# KiCad board launch.kicad_pcb (continued)
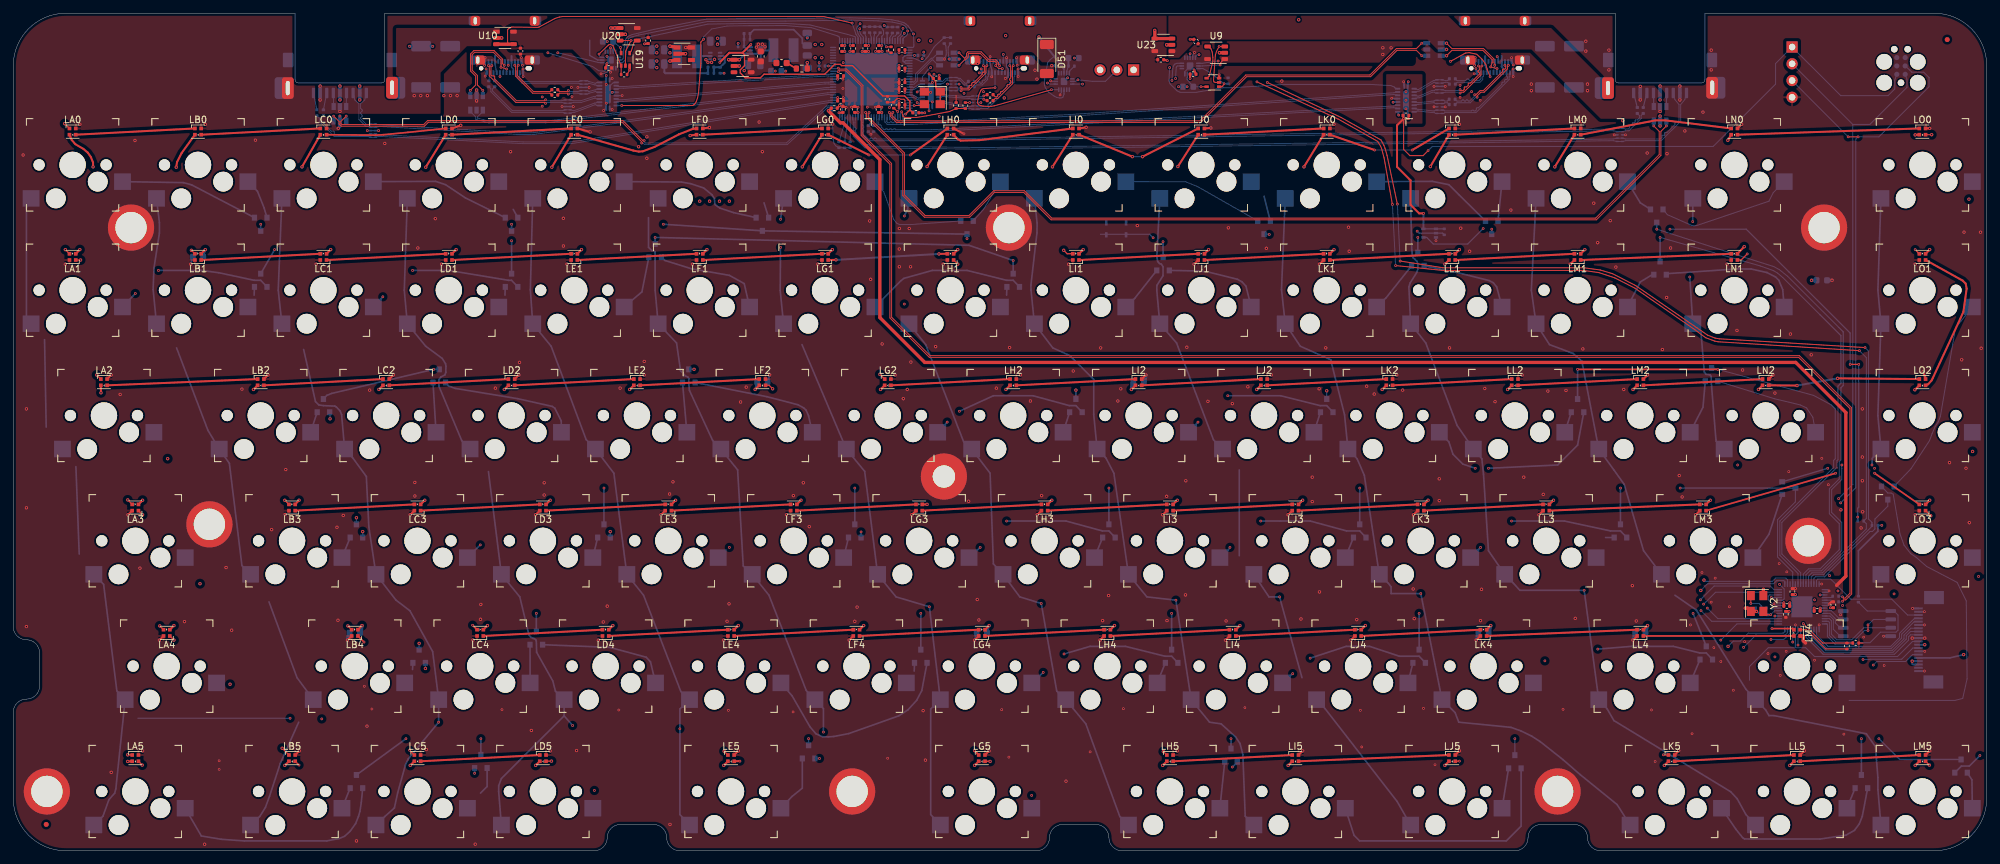
[diagram p0: board, top side]
## Routing (per net, layer and track width the routed paths; a pad name or vN(x,y) marks a point on that pad's centre or on a via; arc(x,y) is an arc through that point) (continued)
  Top w0.15: U19.4 93.65,121.3 94.05,122.6 U20.4
/USB/CL_RX1+: length 21
  Top w0.137: v2(80.65,113.34) 80.52,113.47 76.15,113.47 72.12,117.5 72.12,118.92 v2(71.99,119.05)
  Bottom w0.137: J5.B11 72,119.48 72.12,119.36 72.12,119.18 v2(71.99,119.05) ; U15.14 88.4,114 88.22,114.12 88.1,114.12 86.05,113.47 84.85,113.47 D7.2 D7.9 83.15,113.47 80.78,113.47 v2(80.65,113.34)
/USB/CL_RX1-: length 20.8
  Top w0.137: v2(80.65,113.86) 80.52,113.73 76.25,113.73 72.95,117.04 72.95,117.39 72.84,117.5 72.49,117.5 72.38,117.6 72.38,118.92 v2(72.51,119.05)
  Bottom w0.137: U15.15 88.4,114.5 88.22,114.38 88,114.38 86,113.73 84.85,113.73 D7.1 D7.10 83.15,113.73 80.78,113.73 v2(80.65,113.86) ; v2(72.51,119.05) 72.38,119.18 72.38,119.36 72.5,119.48 J5.B10
/USB/CL_RX2+: length 13.4
  Bottom w0.137: U15.19 88.4,116.5 88.27,116.38 88.15,116.38 87.29,116.63 87.18,116.63 87.05,116.75 D8.6 D8.5 85.7,116.63 77.2,116.63 76.63,117.2 76.63,117.33 76.75,117.45 J5.A11
/USB/CL_RX2-: length 13.9
  Bottom w0.137: J5.A10 76.25,117.45 76.37,117.33 76.37,117.1 77.1,116.37 85.7,116.37 D8.4 D8.7 87.05,116.25 87.18,116.37 87.25,116.37 88.11,116.12 88.28,116.12 88.4,116 U15.18
/USB/CL_RX+: length 32.9
  Bottom w0.137: U2.39 123.5,117.47 123.3,117.47 92.46,115.62 91.8,115.62 U15.4
/USB/CL_RX-: length 32.9
  Bottom w0.137: 92.46,115.88 123.25,117.73 123.5,117.73 U2.40 ; U15.3 91.8,115.88 92.46,115.88
/USB/CL_SEL: length 44.4
  Top w0.15: v2(92.2,113) 102.9,113 103.12,113.11 103.28,113.27 103.48,113.57 103.68,114.17 103.83,114.93 104.18,119.4 104.18,122.63 v2(104.6,123.05)
  Bottom w0.131: v2(104.6,123.05) 104.6,123.4 105.8,124.6 108.15,125.05 110.71,125.09
  Bottom w0.15: U2.51 125.2,123.3 125.14,123.39 124.96,123.51 124.83,123.58 120.95,124.8 116.98,125.13 111.5,125.1 110.71,125.09 ; U15.9 v2(92.2,113)
/USB/CL_SRC: length 8.2
  Top w0.15: v2(88.75,120.8) 90.17,122.18 90.35,122.25 90.45,122.25 90.85,122.1 U19.1 R16.1
  Bottom w0.15: v2(88.75,120.8) 88.9,120.3 U13.16
/USB/CL_TX1+: length 19
  Bottom w0.137: U15.12 88.4,113 88.28,113.12 88.15,113.12 85.05,111.97 84.85,111.97 D7.5 D7.6 83.3,111.97 75.5,111.97 72.37,115.1 72.37,115.53 C30.1
/USB/CL_TX1-: length 18.5
  Bottom w0.137: C28.1 72.63,115.53 72.63,115.2 75.6,112.23 83.3,112.23 D7.7 D7.4 84.85,112.23 85,112.23 88.1,113.38 88.27,113.38 88.4,113.5 U15.13
/USB/CL_TX1D+: length 1.2
  Bottom w0.137: J5.A2 C30.2
/USB/CL_TX1D-: length 1.2
  Bottom w0.137: J5.A3 C28.2
/USB/CL_TX2+: length 6.7
  Top w0.137: v2(84.1,114.74) 83.97,114.87 82.77,114.87 C31.1
  Bottom w0.137: v2(84.1,114.74) 84.23,114.87 85.55,114.87 D8.1 D8.10 87.05,114.75 87.18,114.87 87.29,114.87 88.2,115.12 88.28,115.12 88.4,115 U15.16
/USB/CL_TX2-: length 6.7
  Top w0.137: C29.1 82.77,115.13 83.97,115.13 v2(84.1,115.26)
  Bottom w0.137: v2(84.1,115.26) 84.23,115.13 85.55,115.13 D8.2 D8.9 87.05,115.25 87.18,115.13 87.25,115.13 88.16,115.38 88.27,115.38 88.4,115.5 U15.17
/USB/CL_TX2D+: length 9.1
  Top w0.137: C31.2 81.33,114.87 78.7,114.87 76.12,117.45 76.12,118.97 v2(75.99,119.1)
  Bottom w0.137: v2(75.99,119.1) 76.12,119.23 76.12,119.36 76,119.48 J5.B3
/USB/CL_TX2D-: length 8.6
  Top w0.137: v2(76.51,119.1) 76.38,118.97 76.38,117.55 78.8,115.13 81.33,115.13 C29.2
  Bottom w0.137: J5.B2 76.5,119.48 76.38,119.36 76.38,119.23 v2(76.51,119.1)
/USB/CL_TX+: length 33
  Bottom w0.137: U2.36 123.5,116.27 123,116.27 92.38,113.62 ; 92.37,113.62 91.47,113.62 U15.8
/USB/CL_TX-: length 33
  Bottom w0.137: 92.27,113.88 122.9,116.53 123.5,116.53 U2.37 ; 92.27,113.88 91.47,113.88 U15.7
/USB/CL_VBUS: length 11.8
  Top w0.5: v1(90.55,124.75) U20.1 v1(91.15,124.75)
  Bottom w0.2: U13.15 88.55,119.9 87.34,120.59 87.35,122.9 ; J5.B4 75.5,118.85 75.75,118.55 J5.A9 ; J5.B9 73,119.2 J5.A4
  Bottom w0.3: J5.B9 73,120.5 ; J5.B4 75.5,120.5
/USB/CR_BYP: length 4.3
  Top w0.15: U14.5 v2(179.95,115.85)
  Bottom w0.15: U12.4 177.9,117.3 177.85,117.2 177.85,116.95 C26.2 v2(179.95,115.85)
/USB/CR_CC1: length 48
  Top w0.15: v2(223.75,117.38) 223.3,118.5 223.1,119.25 222.55,120 221.73,120.78 220.57,121.02 220,120.95 v2(217.75,119.7)
  In2.Cu w0.15: v2(217.75,119.7) 186.95,119.7 v2(179.65,120.7)
  Bottom w0.15: v2(179.65,120.7) 179.33,120.67 179.22,120.58 U12.13
  Bottom w0.2: J4.A5 v2(223.75,117.38)
/USB/CR_CC2: length 46.8
  In2.Cu w0.15: v2(182.55,119.75) 186.3,119.25 217.05,119.35 217.8,119.25 218.15,119.4 219.91,120.76 221.35,121.1 222.77,121.02 v2(224.82,120.42)
  Bottom w0.15: U12.14 180.1,119.4 v2(182.55,119.75)
  Bottom w0.2: v2(224.82,120.42) 225,120.15 J4.B5
/USB/CR_D0+: length 12.2
  Top w0.137: v1(217.15,122.45) 217.97,121.63 ; 218,121.63 222.75,121.63 224.33,120.05 224.33,119.55 v2(224.45,119.1)
  Bottom w0.137: J4.A6 J4.B6 v2(224.45,119.1)
  Bottom w0.3: U7.1 v1(217.15,122.45)
/USB/CR_D0-: length 12.2
  Top w0.137: v2(224.8,118.6) v2(223.85,118.85) 224.07,119.55 224.07,119.95 222.65,121.37 218,121.37 ; v1(217.15,120.55) 217.97,121.37
  Bottom w0.137: J4.B7 v2(223.85,118.85) ; J4.A7 v2(224.8,118.6)
  Bottom w0.3: U7.3 v1(217.15,120.55)
/USB/CR_D+: length 87.5
  Top w0.137: v2(213.4,122.45) 212.58,121.63 209.55,121.63 205.55,117.63 186.75,117.63 179.8,110.68 133.95,110.68 133.13,111.5 133.13,111.82 v2(133.26,111.95)
  Bottom w0.137: v2(133.26,111.95) U2.5
  Bottom w0.3: U7.6 v2(213.4,122.45)
/USB/CR_D-: length 87.9
  Top w0.137: v2(132.74,111.95) 132.87,111.82 132.87,111.4 133.85,110.42 179.9,110.42 186.85,117.37 205.65,117.37 209.65,121.37 212.58,121.37 v2(213.4,120.55)
  Bottom w0.137: U2.6 v2(132.74,111.95)
  Bottom w0.3: U7.4 v2(213.4,120.55)
/USB/CR_EN: length 5.4
  Top w0.15: U9.4 181.48,121.58 181.65,121.1 181.75,120.3 181.75,119.75 181.2,117.45 U14.4
/USB/CR_RX1+: length 17.7
  Bottom w0.137: U6.19 212.8,112.17 212.85,112.17 215.1,111.92 215.33,111.92 215.45,111.8 D4.1 D4.10 216.75,111.8 216.87,111.92 221.6,111.92 226.63,116.95 226.63,117.33 226.75,117.45 J4.A11
/USB/CR_RX1-: length 17.7
  Bottom w0.137: J4.A10 226.25,117.45 226.37,117.33 226.37,117.05 226.28,116.97 226.07,116.97 225.97,116.86 225.97,116.65 225.86,116.54 225.65,116.54 225.54,116.44 225.54,116.22 221.98,112.66 221.76,112.66 221.66,112.55 221.66,112.34 221.5,112.18 221.32,112.18 221.21,112.29 221.02,112.29 220.91,112.18 216.87,112.18 216.75,112.3 D4.9 D4.2 215.45,112.3 215.32,112.18 215.12,112.18 212.87,112.43 212.8,112.43 U6.18
/USB/CR_RX2+: length 13.7
  Top w0.137: v2(219.2,114.89) 219.33,115.02 219.75,115.02 222.38,117.65 222.38,118.87 v2(222.51,119)
  Bottom w0.137: U6.15 212.8,114.17 213.01,114.17 215,115.02 215.33,115.02 215.45,114.9 D5.6 D5.5 216.95,115.02 219.07,115.02 v2(219.2,114.89) ; J4.B10 v2(222.51,119)
/USB/CR_RX2-: length 13.7
  Top w0.137: v2(221.99,119) 222.12,118.87 222.12,118.43 221.92,118.23 221.92,118.13 222.12,117.93 222.12,117.75 220.76,116.4 220.53,116.4 220.43,116.3 220.43,116.07 220.19,115.82 219.9,115.82 219.83,115.75 219.83,115.47 219.65,115.28 219.33,115.28 v2(219.2,115.41)
  Bottom w0.137: J4.B11 v2(221.99,119) ; U6.14 212.8,114.43 212.95,114.43 214.95,115.28 215.32,115.28 215.45,115.4 D5.7 D5.4 216.95,115.28 219.07,115.28 v2(219.2,115.41)
/USB/CR_RX+: length 80.6
  Bottom w0.137: U6.3 209.15,112.67 139.08,109.07 131.82,109.07 130.87,110.02 130.87,110.35 U2.11
/USB/CR_RX-: length 80.6
  Bottom w0.137: U6.4 209.15,112.93 139.09,109.33 133.72,109.33 133.58,109.47 133.42,109.47 133.28,109.33 133.12,109.33 132.98,109.47 132.82,109.47 132.68,109.33 132.52,109.33 132.38,109.47 132.22,109.47 132.08,109.33 131.92,109.33 131.5,109.75 131.5,109.96 131.4,110.07 131.19,110.07 131.13,110.12 131.13,110.35 U2.10
/USB/CR_SEL: length 81.1
  In2.Cu w0.15: v2(134.8,124.7) 138.85,124.85 150.25,123.1 162.17,122.68 162.33,122.67 166.22,121.93 171.2,120.85 v2(175.2,118.75)
  Bottom w0.15: U2.73 134,123.35 134.45,123.75 v2(134.8,124.7) ; U6.9 209.35,115.65 209.25,115.8 208.72,116.02 205.65,116.2 192.4,116.2 189.65,116 184.55,115.7 183.3,115.7 179.2,115 176.9,115 176.66,115.06 176.3,115.25 175.25,116.3 175.1,116.75 v2(175.2,118.75)
/USB/CR_SRC: length 6.2
  Top w0.15: v2(183.45,116.3) 183.25,115.95 183.1,115.85 U14.1
  Bottom w0.15: R17.1 v2(183.45,116.3) 181.4,117.95 180.25,118.6 U12.16
/USB/CR_TX1+: length 5.5
  Bottom w0.137: U6.17 212.8,113.17 212.92,113.17 215.15,113.42 215.28,113.42 215.45,113.3 D4.4 D4.7 216.75,113.3 216.87,113.42 217.28,113.42 C13.1
/USB/CR_TX1-: length 5.5
  Bottom w0.137: U6.16 212.8,113.43 212.9,113.43 215.13,113.68 215.27,113.68 215.4,113.8 D4.5 D4.6 216.75,113.8 216.87,113.68 217.28,113.68 C15.1
/USB/CR_TX1D+: length 11.5
  Top w0.137: v2(221.41,114.64) 221.6,114.64 222.25,115.28 222.75,115.28 225.64,118.17 225.64,118.44 225.72,118.52 225.98,118.52 226.12,118.65 226.12,118.97 v2(225.99,119.1)
  Bottom w0.137: J4.B3 v2(225.99,119.1) ; v2(221.41,114.64) 221.41,114.45 220.65,113.68 220.47,113.68 220.3,113.85 220.17,113.85 220,113.68 219.87,113.68 219.7,113.85 219.57,113.85 219.4,113.68 218.72,113.68 C15.2
/USB/CR_TX1D-: length 11.5
  Top w0.137: v2(221.79,114.26) 221.79,114.45 222.35,115.02 222.85,115.02 226.38,118.55 226.38,118.97 v2(226.51,119.1)
  Bottom w0.137: v2(221.79,114.26) 221.6,114.26 220.75,113.42 218.72,113.42 C13.2 ; J4.B2 v2(226.51,119.1)
/USB/CR_TX2+: length 5.9
  Bottom w0.137: C14.1 217.31,116.52 217,116.52 D5.2 D5.9 215.5,116.4 215.38,116.52 215.25,116.52 212.97,115.17 212.8,115.17 U6.13
/USB/CR_TX2-: length 5.9
  Bottom w0.137: C16.1 217.31,116.78 217,116.78 D5.1 D5.10 215.5,116.9 215.37,116.78 215.16,116.78 212.89,115.43 212.8,115.43 U6.12
/USB/CR_TX2D+: length 5.5
  Bottom w0.137: C16.2 218.75,116.78 220.03,116.78 220.28,117.03 220.43,117.03 220.68,116.78 220.83,116.78 221.08,117.03 221.23,117.03 221.48,116.78 222.1,116.78 222.37,117.05 222.37,117.33 222.25,117.45 J4.A2
/USB/CR_TX2D-: length 5.5
  Bottom w0.137: J4.A3 222.75,117.45 222.63,117.33 222.63,116.95 222.2,116.52 218.75,116.52 C14.2
/USB/CR_TX+: length 78.7
  Bottom w0.137: U6.7 209.15,114.67 159.95,111.37 136.05,110.12 132.43,110.12 132.07,110.48 132.07,110.58 U2.8
/USB/CR_TX-: length 78.8
  Bottom w0.137: U6.8 209.15,114.93 159.9,111.63 136.96,110.43 136.05,110.38 135,110.38 134.86,110.52 134.7,110.52 134.56,110.38 134.4,110.38 134.26,110.52 134.1,110.52 133.96,110.38 133.8,110.38 133.66,110.52 133.5,110.52 133.36,110.38 133.2,110.38 133.06,110.52 132.9,110.52 132.76,110.38 132.53,110.38 132.33,110.58 132.33,110.62 U2.7
/USB/CR_VBUS: length 9.7
  Top w0.15: U9.1 183.12,119.73 182.94,119.46 v2(182.85,119.15)
  Bottom w0.15: v2(182.85,119.15) 180.2,119 U12.15
  Bottom w0.3: J4.A9 225.75,118.55 225.5,118.9 J4.B4 225.5,120.5 ; J4.A4 223.25,118.5 223,119.15 J4.B9 223,120.5
  vias: v1(207.5,121.75) v1(207.5,120.75) v1(208.75,121.75)
/USB/CS1: length 3.7
  Bottom w0.15: R11.1 U2.21
/USB/CS2: length 3.7
  Bottom w0.15: U2.22 126.4,110.45 R12.1
/USB/CS3: length 3.8
  Bottom w0.15: U2.23 126,110.5 R13.1
/USB/DP1_CC1: length 1.3
  Bottom w0.15: R33.1 130.4,110.6 U2.12
/USB/DP1_CC2: length 1.4
  Bottom w0.15: R34.1 130,110.6 U2.13
/USB/HUB_SCL: length 1.3
  Bottom w0.15: U2.61 129.2,123.4 R31.2
/USB/HUB_SDA: length 1.7
  Top w0.15: v2(134,112.1) R32.2
  Bottom w0.15: U2.3 v2(134,112.1)
/USB/PRT_CTL1: length 63.9
  Top w0.15: U9.3 v2(182.7,121.95) 182.31,121.24 182.13,120.67 181.85,116.85 181.9,116.6 182.1,116.5 U14.2
  In2.Cu w0.15: v2(182.7,121.95) 164.36,123.79 155.55,124 144.75,124.55 138.95,125.2 132.77,125.57 131.71,125.59 v2(128.25,124.65)
  Bottom w0.15: U2.60 128.8,123.35 128.45,123.75 128.35,123.9 128.25,124.3 v2(128.25,124.65)
/USB/PRT_CTL2: length 51.6
  Top w0.5: v2(172.95,124.4) U23.4 U23.3
  In2.Cu w0.15: v2(128.3,125.4) 131.64,125.94 138.9,125.55 144.7,124.9 144.8,124.9 155.8,124.35 172.1,124.15 v2(172.95,124.4)
  Bottom w0.15: v2(128.3,125.4) 127.85,124.9 127.81,124.61 127.9,124.25 128,123.85 128.2,123.55 128.4,123.3 U2.59
/USB/PRT_CTL3: length 60.5
  Top w0.15: 74.9,122.3 74.9,124.5 75.05,124.65 75.55,124.9 79.1,124.85 79.5,124.85 79.65,124.9 79.71,124.94 82.08,126.2 82.74,126.42 83.25,126.5 122.75,126.5 v2(127.1,125.5)
  Top w0.5: U10.3 U10.4
  Bottom w0.15: v2(127.1,125.5) 127.7,123.75 128,123.35 U2.58
/USB/PRT_CTL4: length 40.8
  Top w0.15: U20.3 v2(93.6,122.85) 92.75,121.2 U19.2
  Bottom w0.15: v2(93.6,122.85) 105.25,125.35 111.26,125.44 117,125.45 120.72,125.22 126.42,123.78 127.46,123.46 127.57,123.38 127.6,123.3 U2.57
/USB/RBIAS: length 1.1
  Bottom w0.15: R1.1 136.45,112.2 U2.100
/USB/SPI_CLK: length 1.7
  Top w0.15: v2(132.3,121.9) R29.1
  Bottom w0.15: U2.68 132,122.3 v2(132.3,121.9)
/USB/SPI_D0: length 1.3
  Bottom w0.15: U2.70 132.8,123.3 133.25,124
/USB/SPI_D1: length 1.6
  Bottom w0.15: U2.71 133.2,123.3 133.35,123.5 133.65,123.55 R30.1
/USB/SPI_~{CE}: length 1.2
  Bottom w0.2: U2.69 R20.1
/USB/TEST1: length 1.3
  Bottom w0.15: R5.2 130,123.35 U2.63
/USB/TEST2: length 1.3
  Bottom w0.15: U2.64 130.4,123.35 R6.2
/USB/TEST3: length 1.5
  Bottom w0.15: R7.2 130.8,123.35 U2.65
/USB/UP_ADDR: length 1.4
  Bottom w0.15: 160.78,118.97 160.07,118.28 U11.5
/USB/UP_BYP: length 2.3
  Bottom w0.15: U11.4 159.62,118.28 R8.2
  Bottom w0.3: R8.2 C25.2
/USB/UP_CC1: length 19.3
  Top w0.15: v2(148.75,115.7) 146.99,115.56 146.8,115.5 146.6,115.3 146.28,114.57 146.1,113.65 146.1,113.45 146.15,113.3 146.22,113.17 146.47,113.02 147,112.9 147.79,112.86 148.22,112.88 148.68,112.97 v2(157.3,115.4)
  Bottom w0.15: v2(157.3,115.4) U11.13 ; J0.A5 v2(148.75,115.7)
/USB/UP_CC2: length 11.6
  In2.Cu w0.15: v2(150,120.75) 153.6,120.9 154.05,120.8 154.37,120.57 v2(156.69,116.41)
  Bottom w0.15: U11.14 157.05,116.25 v2(156.69,116.41) ; J0.B5 v2(150,120.75)
/USB/UP_D0+: length 10.6
  Top w0.137: v2(149.45,119.05) 149.28,119.22 149.28,119.5 148.85,119.93 147.85,119.93 146.65,121.13 144.65,121.13 144.42,120.9 144.42,120.45 144.15,120.18 144.12,120.18 v2(143.3,121)
  Bottom w0.137: J0.A6 J0.B6
  Bottom w0.3: U0.1 v2(143.3,121)
/USB/UP_D0-: length 11
  Top w0.137: v2(143.3,119.1) 144.12,119.92 144.25,119.92 144.68,120.35 144.68,120.8 144.75,120.87 146.55,120.87 147.75,119.67 148.75,119.67 149.02,119.4 149.02,119.22 v2(148.85,119.05) 149.3,118.6 v2(149.85,118.6)
  Bottom w0.137: J0.A7 v2(149.85,118.6) ; J0.B7 v2(148.85,119.05)
  Bottom w0.3: U0.3 v2(143.3,119.1)
/USB/UP_D1+: length 7
  Bottom w0.137: U0.6 140.15,121 139.32,120.18 139.1,120.18 136.71,117.79 136.71,116.81 136.43,116.53 136.3,116.6 U2.89
/USB/UP_D1-: length 7
  Bottom w0.137: U2.90 136.3,116.2 136.53,116.27 136.97,116.71 136.97,117.69 139.2,119.92 139.32,119.92 140.15,119.1 U0.4
/USB/UP_RX1+: length 10.1
  Top w0.137: v2(146.99,119.05) 147.12,118.92 147.12,118.05 146.91,118.05 146.8,117.95 146.8,117.74 145.55,116.48 145.34,116.48 145.23,116.38 145.23,116.17 145.13,116.06 144.91,116.06 144.81,115.95 144.81,115.74 144.7,115.63 143.73,115.63 v2(143.6,115.76)
  Bottom w0.137: v2(143.6,115.76) 143.47,115.63 143.2,115.63 D3.9 D3.2 141.6,115.63 140.8,115.63 U3.14 ; J0.B11 v2(146.99,119.05)
/USB/UP_RX1-: length 10.1
  Top w0.137: v2(143.6,115.24) 143.73,115.37 144.8,115.37 147.38,117.95 147.38,118.92 v2(147.51,119.05)
  Bottom w0.137: v2(143.6,115.24) 143.47,115.37 143.15,115.37 D3.10 D3.1 141.6,115.37 140.8,115.37 U3.15 ; J0.B10 v2(147.51,119.05)
/USB/UP_RX2+: length 14.7
  Bottom w0.137: U3.19 140.8,113.37 140.95,113.37 144.7,112.57 144.9,112.57 D1.6 D1.5 146.4,112.45 146.53,112.57 147.65,112.57 151.63,116.55 151.63,117.33 151.75,117.45 J0.A11
/USB/UP_RX2-: length 14.7
  Bottom w0.137: U3.18 140.75,113.63 141,113.63 144.75,112.83 144.9,112.83 D1.7 D1.4 146.4,112.95 146.53,112.83 147.55,112.83 147.68,112.97 147.68,113.15 147.8,113.27 147.99,113.27 148.11,113.39 148.11,113.58 148.23,113.7 148.41,113.7 150.52,115.8 150.52,116.01 150.62,116.12 150.83,116.12 150.94,116.22 150.94,116.44 151.05,116.54 151.26,116.54 151.37,116.65 151.37,117.33 151.25,117.45 J0.A10
/USB/UP_SEL: length 12.2
  In1.Cu w0.15: v2(139,118.75) v1(139,122.8)
  In2.Cu w0.15: v2(135,123.95) 136.4,123.4 137.4,123.4 v1(139,122.8)
  Bottom w0.15: U2.74 134.4,123.3 134.7,123.55 v2(135,123.95) ; v2(139,118.75) 138.55,118.4 137.75,117.35 U3.9
/USB/UP_TX1+: length 5.1
  Bottom w0.137: U3.13 140.75,116.37 140.9,116.37 141.4,116.87 141.55,116.87 D3.4 D3.7 143.25,116.87 143.35,116.87 144.1,116.12 144.43,116.12 C12.1
/USB/UP_TX1-: length 5.1
  Bottom w0.137: C11.1 144.43,116.38 144.2,116.38 143.45,117.13 143.25,117.13 D3.6 D3.5 141.55,117.13 141.3,117.13 140.8,116.63 140.75,116.63 U3.12
/USB/UP_TX1D+: length 3.6
  Bottom w0.137: J0.A3 147.75,117.45 147.63,117.33 147.63,116.95 146.8,116.12 145.87,116.12 C12.2
/USB/UP_TX1D-: length 3.5
  Bottom w0.137: J0.A2 147.25,117.45 147.37,117.33 147.37,117.05 147.13,116.82 146.95,116.85 146.8,116.7 146.83,116.52 146.7,116.38 146.52,116.38 146.35,116.6 146.1,116.6 145.97,116.38 145.87,116.38 C11.2
/USB/UP_TX2+: length 7.5
  Top w0.137: C9.1 v2(147.05,113.94)
  Bottom w0.137: v2(147.05,113.94) 146.92,114.07 146.26,114.07 D1.2 D1.9 144.9,114.07 144.75,114.07 140.85,114.37 140.8,114.37 U3.17
/USB/UP_TX2-: length 7.5
  Top w0.137: C10.1 v2(147.05,114.46)
  Bottom w0.137: v2(147.05,114.46) 146.92,114.33 146.26,114.33 D1.1 D1.10 144.9,114.33 144.8,114.33 140.9,114.63 140.8,114.63 U3.16
/USB/UP_TX2D+: length 7.4
  Top w0.137: v2(151.51,119.05) 151.38,118.92 151.38,116.3 149.15,114.07 148.77,114.07 C9.2
  Bottom w0.137: J0.B2 v2(151.51,119.05)
/USB/UP_TX2D-: length 7.5
  Top w0.137: C10.2 148.77,114.33 149.05,114.33 149.13,114.42 149.13,114.6 149.25,114.72 149.44,114.72 149.56,114.84 149.56,115.03 149.68,115.15 149.86,115.15 150.59,115.87 150.59,116.09 150.7,116.19 150.91,116.19 151.12,116.4 151.12,116.73 150.97,116.88 150.97,117.03 151.12,117.18 151.12,118.92 v2(150.99,119.05)
  Bottom w0.137: v2(150.99,119.05) J0.B3
/USB/USB_UP_RX+: length 2.1
  Bottom w0.137: U3.4 137.2,114.13 137.1,114.13 136.5,114.53 136.35,114.53 136.25,114.6 U2.94
/USB/USB_UP_RX-: length 2.1
  Bottom w0.137: U2.95 136.25,114.2 136.35,114.27 136.4,114.27 137.02,113.87 137.2,113.87 U3.3
/USB/USB_UP_TX+: length 2.1
  Bottom w0.137: U3.8 137.25,116.13 137.15,116.13 136.45,115.73 136.35,115.73 136.25,115.8 U2.91
/USB/USB_UP_TX-: length 2.1
  Bottom w0.137: U2.92 136.25,115.4 136.35,115.47 136.52,115.47 137.25,115.87 U3.7
/USB/XTALI: length 2.6
  Top w0.15: v2(136.5,113) 137.5,113 138.25,113.4
  Bottom w0.15: U2.98 v2(136.5,113)
/VCORE: length 3
  Top w0.4: C73.2 v2(273.75,36.8) ; C72.2 v2(268.25,37.6)
  Bottom w0.2: U1.45 v2(273.75,38.8) ; U1.50 v2(273.75,36.8) ; U1.23 v2(268.25,37.6)
/XIN: length 3.4
  Top w0.15: Y2.3 265.65,35.8 v2(266.25,35.8)
  Bottom w0.15: U1.20 266.85,36.4 v2(266.25,35.8)
  Bottom w0.3: C70.1 v2(266.25,35.8)
/XOUT: length 4
  Top w0.15: v2(263.25,37.5) Y2.1
  Bottom w0.15: R37.2 C71.1 264.85,37.15 264.5,37.5 v2(263.25,37.5)
/XOUT1: length 1.1
  Bottom w0.15: U1.21 R37.1
/~{BOOTSW}: length 52.9
  In1.Cu w0.18: v2(212.7,93.95) 173.7,93.95 v2(172.7,92.95)
  Bottom w0.18: v2(172.7,92.95) 172.18,93.47 164.72,93.47 ; R2.2 216.55,93.65 U22.2 213,93.65 v2(212.7,93.95)
/~{BOOT}: length 120.2
  Top w0.18: v2(279.6,73.75) v2(278.3,73.75)
  In1.Cu w0.18: v2(251,94.25) 250.5,94.75 248.75,94.75 248.75,94.7 248.05,94 225.2,94 224.4,94.8 223.15,94.8 v2(222.7,94.35)
  In1.Cu w0.25: v2(279.45,50.6) 280.7,49.35 v2(283.1,49.35)
  Bottom w0.18: v2(222.7,94.35) 220.35,92 215.15,92 214.15,93 U22.4 ; v2(251,94.25) 262.55,94.25 278.3,78.5 v2(278.3,73.75) ; v2(279.45,50.6) 279.45,51.95 279.6,52.1 v2(279.6,73.75)
  Bottom w0.25: v2(283.1,49.35) R9.1 282.5,48.45 279.55,45.5 R36.1 ; v2(279.45,50.6) R10.1
/~{QCS}: length 23.4
  Bottom w0.15: R36.2 280.89,36.36 U24.1 284.94,36.36 285.55,35.75 285.55,33.45 285.25,33.15 282.9,33.15 281.3,31.55 279.35,31.55 279.15,31.35 276,31.35 274.85,32.5 274.85,34.3 274.75,34.4 U1.56
/~{RESET_USB}: length 43
  Top w0.2: 110.5,121 110.8,120.7 110.8,119.05 110.15,118.4 110.15,117.95 110.9,117.2 113.2,117.2 113.75,117.75 122.95,117.75 124.45,119.25 125.3,119.25 125.5,119.05 127.15,119.05 131.75,114.45 135.05,114.45 135.85,113.65 135.85,112.35 ; C7.1 135.85,112.35 ; 135.85,112.35 v2(135.2,111.7)
  Top w0.3: v2(107.05,119.55) 108.5,121 110.5,121 v2(111.75,122.25)
  Bottom w0.15: U2.1 134.8,111.55 134.95,111.7 v2(135.2,111.7)
  Bottom w0.3: U17.6 107.09,119.59 v2(107.05,119.55) ; v2(111.75,122.25) 111.76,122.24 U4.6
COLA: length 341.7
  In1.Cu w0.18: v2(258.7,31.95) 258.7,30.6 248.6,20.5 46.15,20.5 45.75,20.1 v2(41.95,20.1)
  Bottom w0.15: v2(258.7,31.95) 261.15,34.4 U1.15
  Bottom w0.18: 18.9,20.1 v2(41.95,20.1)
  Bottom w0.25: SWA1.1 2,81 2,97.5 SWA0.1 ; SWA3.1 13.7,40.4 15.7,24.25 SWA4.1 15.55,9.4 15.38,8.75 14.5,7.75 13.6,5.25 SWA5.1 ; 5,64.25 4.75,77.5 ; 10,45 9.5,58.25
COLB: length 317.2
  In1.Cu w0.18: v2(46.75,20) 248.8,20 v1(259.8,31)
  Bottom w0.15: U1.14 268.4,33.25 268.15,33 262.85,33 261.65,31.8 260.6,31.8 v1(259.8,31)
  Bottom w0.25: 24.75,76.25 29.5,63.75 SWB2.1 32.75,58.75 34.65,43.25 SWB3.1 ; SWB5.1 37.35,5.2 38.21,6.59 38.84,8.29 40.46,13.24 43.25,19.5 ; SWB0.1 22.15,95.25 22.15,93.65 21.32,88.33 21.2,85.1 SWB1.1 ; 38.75,37.75 43,26.25 SWB4.1
COLC: length 312.2
  In1.Cu w0.18: v2(262.15,30.85) 250.8,19.5 v2(64.45,19.5)
  Bottom w0.15: U1.13 268.8,33.05 268.45,32.7 264,32.7 v2(262.15,30.85)
  Bottom w0.25: SWC5.1 56.3,5.2 57.75,6.5 58.25,8.8 59.41,12.99 59.83,13.92 v2(64.45,19.5) SWC4.1 63.55,30.2 60.1,36.4 58,38 SWC3.1 ; SWC3.1 53.88,49.08 53.5,56.75 51.5,59.5 SWC2.1 49.75,66.15 49.54,66.69 48.95,67.3 48.72,67.42 47,67.5 46.3,67.6 45.8,68.1 44,76 ; SWC3.1 54.98,41.92 ; 40.73,79.92 SWC1.1 40.15,85 SWC0.1
COLD: length 320.3
  In1.Cu w0.15: v2(281.8,28.17) 279.82,30.15 273.35,30.15 271.45,32.05 v2(266.3,32.05)
  In1.Cu w0.18: v2(266.3,32.05) 264.5,32.05 251.45,19 v2(84.75,19)
  Bottom w0.15: v2(266.3,32.05) 268.25,32.05 269.2,33 U1.12 ; v2(281.8,28.17) 282.33,28.7 286.7,28.7 287.75,29.75 J7.15
  Bottom w0.25: v2(84.75,19) 83.46,20.46 ; 83.46,20.46 SWD4.1 82.15,24.2 81.75,25.75 79.3,30.1 79.25,31.8 79.16,32.01 78.93,32.18 78.76,32.21 78.42,32.37 78.13,32.78 76.75,38.5 SWD3.1 ; 83.46,20.46 73.96,10.96 73.55,9.85 73.55,8.95 SWD5.1 ; SWD0.1 59.25,85 SWD1.1 ; SWD2.1 67.95,62.2 64.51,70.41 64.5,71.45 64.8,71.85 65.4,72.15 65.54,72.54 65.56,73.46 65.5,73.85 65,74.65 62.5,76.5 SWD1.1 ; SWD3.1 72,57.5 ; SWD3.1 73.98,41.92 ; SWD1.1 59.73,79.92
COLE: length 299.2
  In1.Cu w0.15: v2(269.6,31.65) 270.55,31.65 271.2,31 272,31 273.15,29.85 279.4,29.85 v2(280.25,29)
  In1.Cu w0.18: v2(101,18.5) 252.16,18.5 265.21,31.55 268.75,31.55 268.85,31.65 v2(269.6,31.65)
  Bottom w0.15: J7.13 287.8,30.75 286.1,29.05 281.3,29.05 281.25,29 v2(280.25,29) ; U1.11 v2(269.6,31.65)
  Bottom w0.25: SWE0.1 78.35,85.05 SWE1.1 ; SWE1.1 81.5,76.5 86.8,62.35 SWE2.1 91,57.25 SWE3.1 ; SWE1.1 78.73,79.92 ; SWE5.1 101,5.5 v2(101,18.5) 101,21.5 SWE4.1 101.15,24.15 95.5,38.75 SWE3.1 ; SWE3.1 92.98,41.92
COLF: length 276.1
  In1.Cu w0.15: v2(270.4,31.2) 271.1,30.5 272.05,30.5 273.05,29.5 278.35,29.5 281.15,26.7 283.95,26.7 288.5,31.25 v1(289.6,31.25)
  In1.Cu w0.18: v2(270.4,31.2) 265.87,31.2 252.67,18 v2(122.75,18) ; v1(289.6,31.25) 288.7,32.15 288.7,36.5 286.25,38.95 v2(284.95,38.95)
  Bottom w0.15: v2(270.4,31.2) 270.4,32.5 270.8,32.9 U1.8 ; J7.12 v1(289.6,31.25)
  Bottom w0.25: SWF3.1 110.6,43.2 109.75,57.75 SWF2.1 105.95,62.25 102.45,69.8 102.35,70.8 102.35,71.6 102.2,71.85 101.84,71.99 101.1,72.8 100.5,77 SWF1.1 ; SWF3.1 111.99,41.92 ; SWF3.1 114.5,38.75 120.15,24.3 SWF4.1 122.75,21.55 v2(122.75,18) ; SWF1.1 97.73,79.92 ; SWF1.1 97.25,85 97.25,90.75 97,91 96.75,91 96.25,91.5 96.25,96
COLG: length 230.1
  In1.Cu w0.18: v2(255.7,36.42) 255.52,36.6 254.2,36.6 253.8,37 v2(138.8,37) ; v2(116.25,95.75) v2(116.25,91.5)
  Bottom w0.15: U1.16 257.32,34.8 v2(255.7,36.42)
  Bottom w0.25: SWG5.1 139,5.5 139,21.5 SWG4.1 v2(138.8,37) 133.75,38.5 SWG3.1 ; 116.74,79.92 SWG1.1 116.2,84.95 v2(116.25,91.5) ; v2(116.25,95.75) SWG0.1 ; SWG3.1 130.99,41.92 ; SWG3.1 129,57.53 SWG2.1 119.5,76.75
COLH: length 215.6
  In1.Cu w0.18: v2(135,82.9) v2(135,96.25) ; v2(256.65,36.8) 256.5,36.95 254.4,36.95 253.85,37.5 v2(155.75,37.5)
  Bottom w0.15: U1.17 258.25,35.2 v2(256.65,36.8)
  Bottom w0.25: SWH5.1 167.65,5.2 162.5,19.25 SWH4.1 158.1,24.2 v2(155.75,37.5) 152.5,38.5 SWH3.1 ; SWH3.1 148.5,43.5 148,57.25 SWH2.1 144,62 138.25,76.75 SWH1.1 ; SWH3.1 149.99,41.92 ; v2(135,96.25) 135.5,97.25 SWH0.1
COLI: length 202.1
  In1.Cu w0.18: v2(256.1,37.4) 254.55,37.4 253.95,38 v2(176.15,38)
  Bottom w0.15: v2(256.1,37.4) 257.9,39.2 U1.27
  Bottom w0.25: SWI4.1 v2(176.15,38) 171.75,38.5 SWI3.1 ; SWI4.1 178.49,22.92 ; SWI4.1 181.25,19.5 183,19.25 185.2,17.25 185.87,16.27 186.29,14.61 186.65,5.25 SWI5.1 ; SWI3.1 168.99,41.92 ; SWI3.1 166.75,57.25 165.55,59.55 SWI2.1 163.7,66.15 163.7,71.47 160.08,75.08 157.5,76.25 SWI1.1 ; SWI1.1 154.2,85 154.18,85.76 155.1,93.7 155.12,95.2 SWI0.1 ; SWI1.1 154.74,79.92
COLJ: length 173.4
  In1.Cu w0.18: v2(255.6,38.05) 255.15,38.5 v2(191.85,38.5)
  Bottom w0.15: U1.28 266.75,39.6 266.2,40.15 257.7,40.15 v2(255.6,38.05)
  Bottom w0.25: SWJ0.1 173.26,90.11 173.39,89.36 173.65,89.05 173.95,88.95 174.2,88.55 174.2,87.2 173.27,85.73 173.25,85 SWJ1.1 176.25,77 181.85,62.3 SWJ2.1 ; SWJ5.1 209.65,7.5 198.75,21.55 SWJ4.1 ; SWJ3.1 190.25,38.5 v2(191.85,38.5) 195.25,26.25 ; 185.75,44.75 185.75,57.75
